# Altium PCB 2019.07.15.master.PcbDoc (part 2 of 7)
Units mm, origin at the board's own origin, x right, y up, seen from the top; angles counter-clockwise.
Board outline 160 x 120 mm, 6 copper layers (Top Signal, Top GND, Inner PWR, Inner Signal, Bottom GND, Bottom Signal), stack 1.571 mm thick; 408 components, 388 nets, 1700 pads, 1310 vias.
Unrouted connection lines stored in the file: 2.
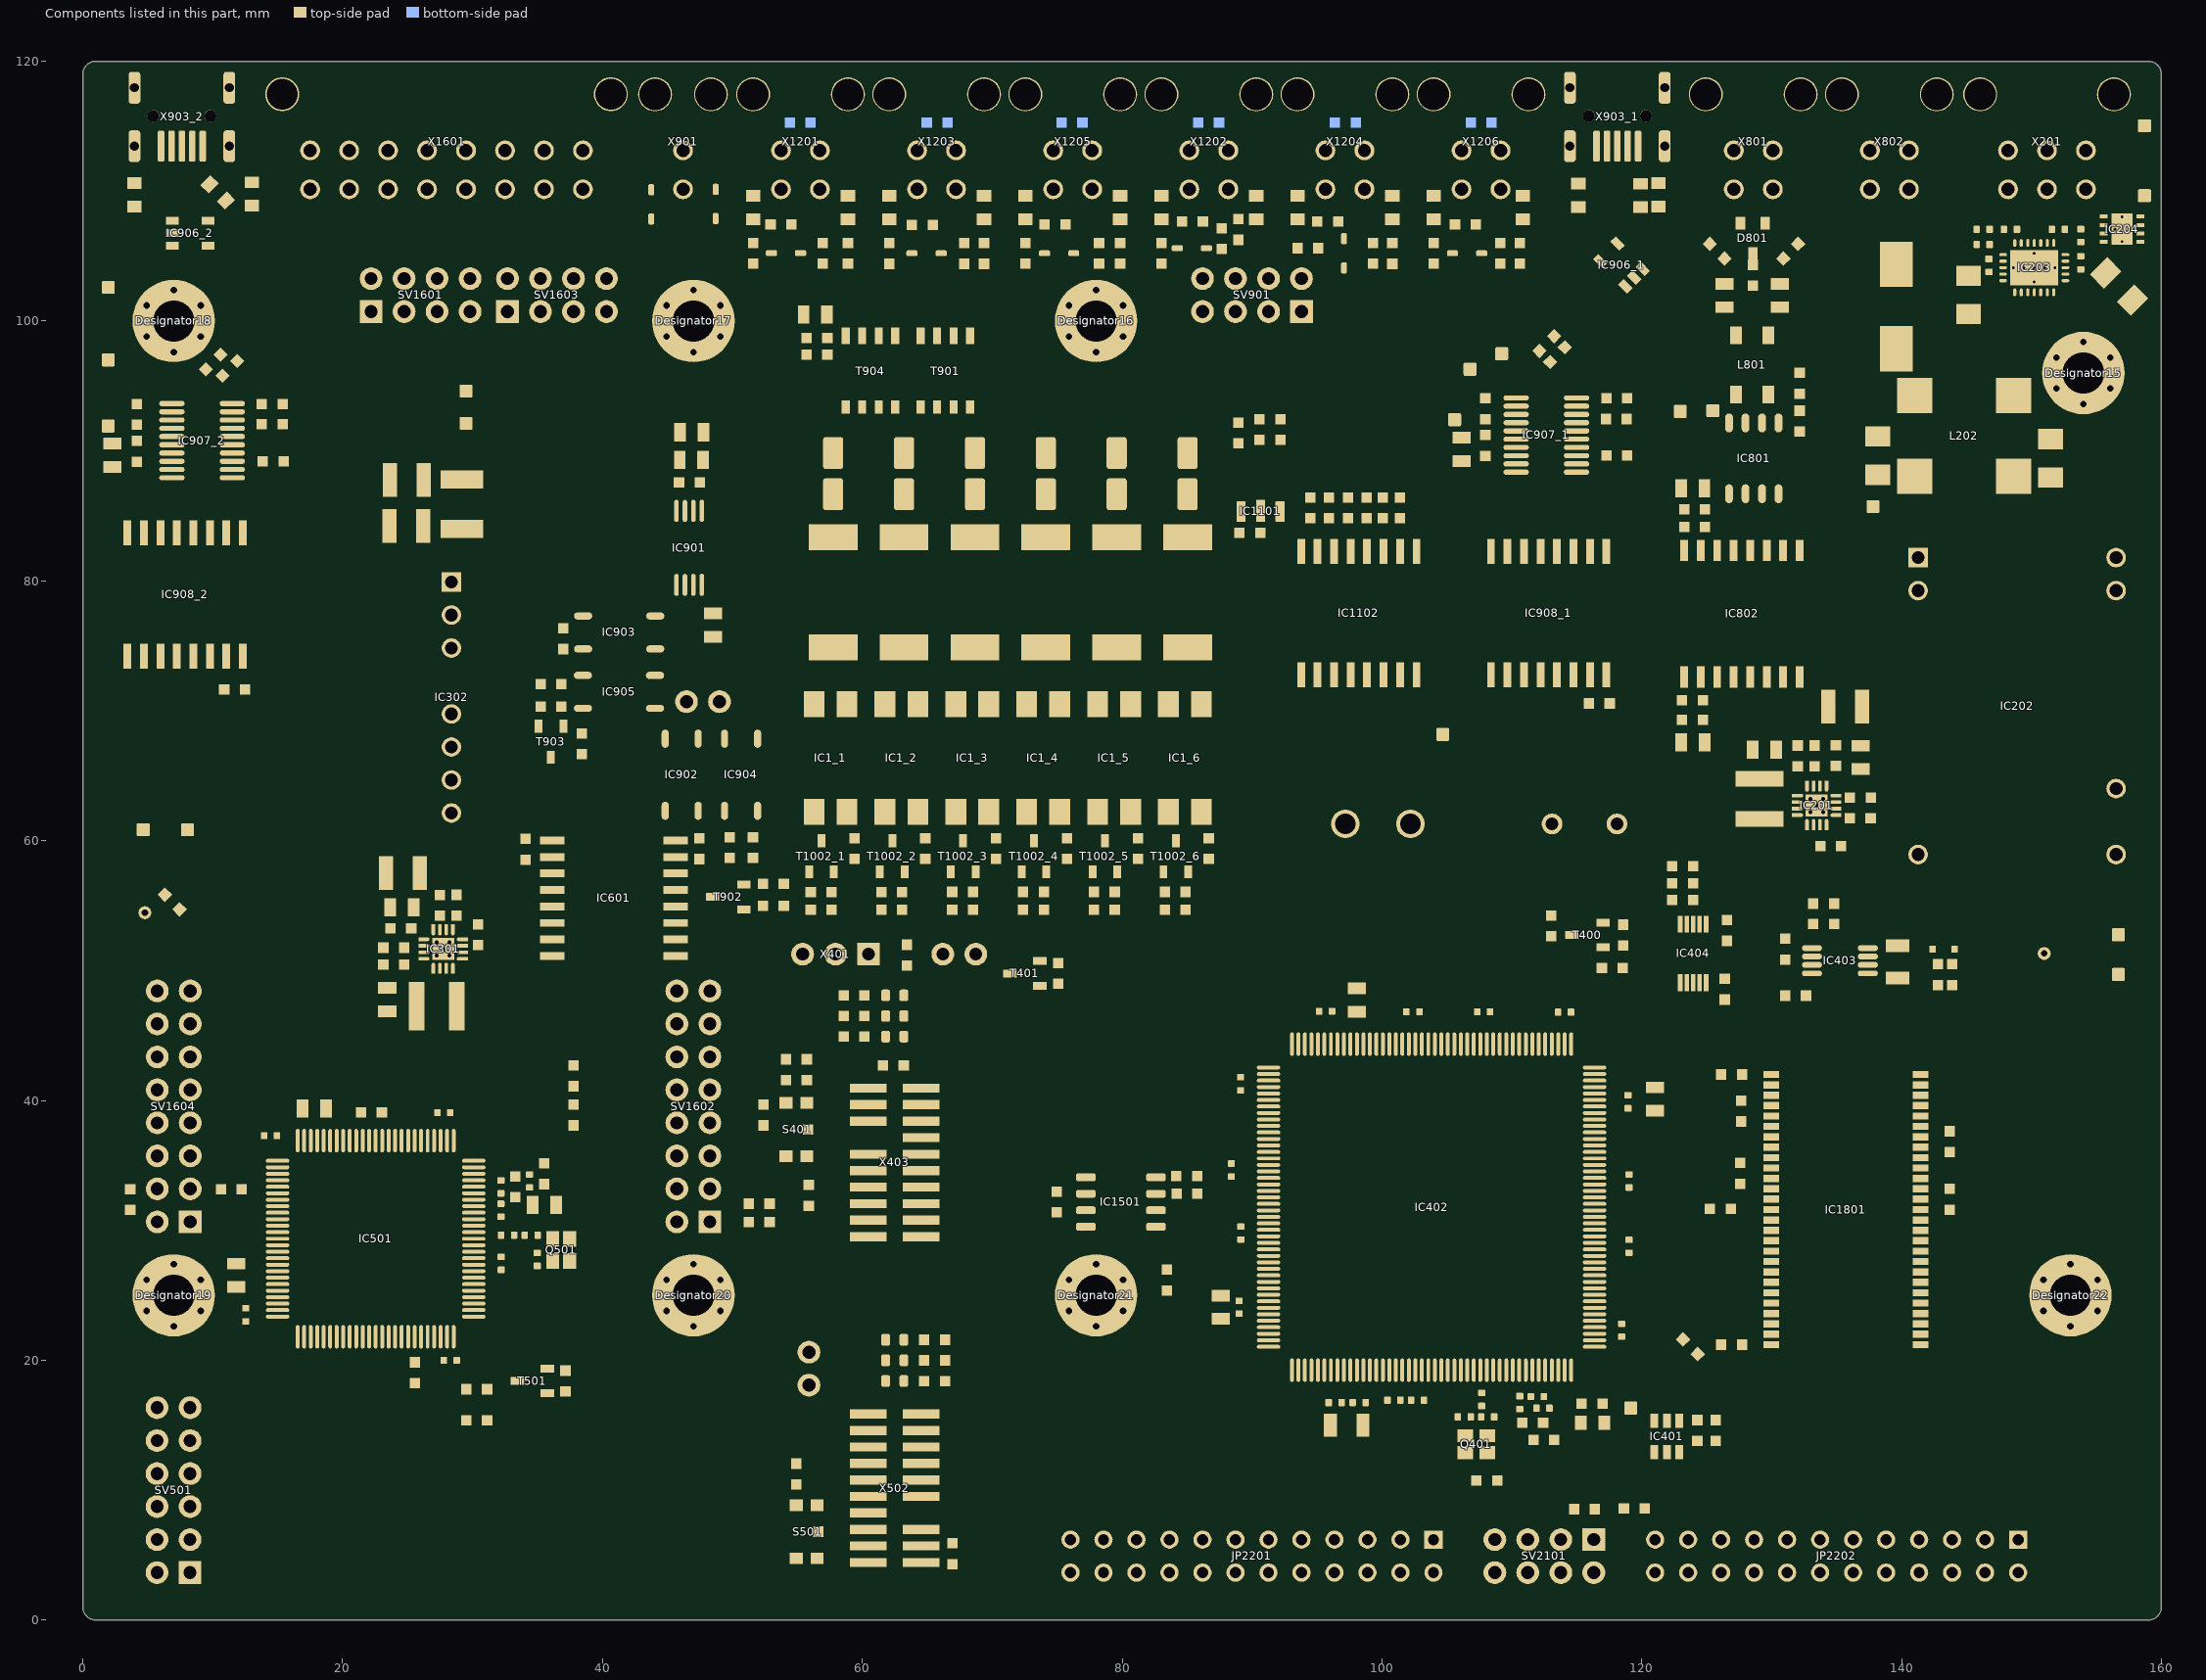
[diagram p6: the components of this part, seen from the top]

## Components (designator, comment, footprint, x,y, rotation, side; value= is the part's Value field where it differs from the comment) (continued)
TPuVb2_1 "Testpoint_Square" Testpoint_S1 105.598,92.408 r270 top (schematic designator TPuVb2)
TPuVb2_2 "Testpoint_Square" Testpoint_S1 1.954,91.921 r180 top (schematic designator TPuVb2)
TPvBat0 "Testpoint_Square" Testpoint_S1 104.678,68.18 r180 top
TPvRef0 "Testpoint_Square" Testpoint_S1 119.156,16.317 r90 top
U$1 "" FIDUCIAL_1MM 148,10 r0 top locked
U$3 "" FIDUCIAL_1MM 17,100 r0 top locked
U$4 "" FIDUCIAL_1MM 14,10 r0 top locked
X201 "43045-0621" 43045-0621 151.198,117.46 r0 top locked
X400 "ABS07-120 32.768k" ABS07 139.692,50.663 r270 top
X401 "samtec_TSW-103-07-G-S" PINHEADER_2.54_3 57.944,51.261 r180 top locked
X402 "samtec_TSW-102-07-G-S" PINHEADER_2.54_2 67.469,51.261 r0 top locked
X403 "FTSH-110-01-L-DV-007-K-P" CORTEX_DEBUG_20_PIN 62.5,35.228 r0 top locked
X501 "samtec_TSW-102-07-G-S" PINHEADER_2.54_2 55.894,19.35 r270 top
X502 "FTSH-110-01-L-DV-007-K-P" CORTEX_DEBUG_20_PIN 62.5,10.145 r180 top locked
X801 "43045-0421" 43045-0421 128.587,117.46 r0 top locked
X802 "43045-0421" 43045-0421 139.064,117.46 r0 top locked
X901 "molex_microfit_3_01x2_THT" 43045-0221 46.2,117.46 r0 top locked
X902 "samtec_TSW-102-07-G-S" PINHEADER_2.54_2 47.74,70.7 r180 top
X903_1 "54819-0589" 54819-0589 119.72,113.464 r270 top locked (schematic designator X903)
X903_2 "54819-0589" 54819-0589 9.225,113.464 r270 top locked (schematic designator X903)
X1201 "molex_microfit_3_02x2_THT" 43045-0421 55.245,117.46 r0 top locked
X1202 "molex_microfit_3_02x2_THT" 43045-0421 86.677,117.46 r0 top locked
X1203 "molex_microfit_3_02x2_THT" 43045-0421 65.722,117.46 r0 top locked
X1204 "molex_microfit_3_02x2_THT" 43045-0421 97.155,117.46 r0 top locked
X1205 "molex_microfit_3_02x2_THT" 43045-0421 76.2,117.46 r0 top locked
X1206 "molex_microfit_3_02x2_THT" 43045-0421 107.632,117.46 r0 top locked
X1601 "molex_microfit_3_08x2_THT" 43045-1621 28,117.46 r0 top locked

## Footprints (in the part's own frame and the unit in brackets; to place one, negate y for a bottom-side part, rotate by r counter-clockwise, add the part's x,y. Pads: shape width x height; smd on the part's side, far side on the other; paste and mask are expansions set on the pad)
0402C [mm] "Chip Capacitor, 2-Leads, Body 1.0x0.5mm, IPC Medium Density"
  rrect25% 0.5x0.55 smd paste-2: 1(-0.5,0) 2(0.5,0)
  silkscreen extent -0.9,-0.45 0.9,0.45, body extent -0.5,-0.25 0.5,0.25, height 0.5
0402R [mm] "Chip Capacitor, 2-Leads, Body 1.0x0.5mm, IPC Medium Density"
  rrect25% 0.5x0.55 smd paste-2: 1(-0.5,0) 2(0.5,0)
  silkscreen extent -0.9,-0.45 0.9,0.45, body extent -0.5,-0.25 0.5,0.25, height 0.25
0603C [mm]
  rect 0.8x0.8 smd paste-10: 1(-0.8,0) 2(0.8,0)
  silkscreen extent -1.45,-0.65 1.45,0.65, body extent -0.8,-0.4 0.8,0.41, height 1.02
0603R [mm]
  rect 0.8x0.8 smd paste-10: 1(-0.8,0) 2(0.8,0)
  silkscreen extent -1.45,-0.65 1.45,0.65, body extent -0.8,-0.4 0.8,0.4, height 0.45
0805C [mm]
  rect 0.9x1.4 smd paste-10: 1(-0.9,0) 2(0.9,0)
  silkscreen extent -1.6,-0.95 1.6,0.95, body extent -1,-0.63 1,0.63, height 1.25
0805R [mm]
  rect 0.9x1.4 smd paste-10: 1(-0.9,0) 2(0.9,0)
  silkscreen extent -1.6,-0.95 1.6,0.95, body extent -1,-0.65 1,0.65, height 0.6
43045-0221 [mm] "Micro-Fit 3.0 Right Angle Header, 3.00mm Pitch, Dual Row, 2 Circuits, with Snap-in Plastic Peg PCB Lock, Tin, Glow Wire Capable, Black, 43045-0221"
  round 1.524 hole 1.016: 1(0,-4.32) 2(0,-7.32)
  round 2.61 hole 2.41 paste-5 mask+0.15: MH1(-2.15,0) MH1(2.15,0)
  silkscreen extent -3.57,-6.34 3.63,-1.4, body extent -3.58,-7.62 3.63,4.62, height 8.77
43045-0421 [mm] "Micro-Fit 3.0 Right Angle Header, 3.00mm Pitch, Dual Row, 4 Circuits, with Snap-in Plastic Peg PCB Lock, Tin, Glow Wire Capable, Black, 43045-0421"
  round 1.524 hole 1.016: 1(-1.5,-4.32) 2(1.5,-4.32) 3(-1.5,-7.32) 4(1.5,-7.32)
  round 2.61 hole 2.41 paste-5 mask+0.15: MH1(-3.65,0) MH2(3.65,0)
  silkscreen extent -5.07,-6.34 5.13,-1.4, body extent -5.07,-7.62 5.13,4.62, height 8.83
43045-0621 [mm] "Micro-Fit 3.0 Right Angle Header, 3.00mm Pitch, Dual Row, 6 Circuits, with Snap-in Plastic Peg PCB Lock, Tin, Glow Wire Capable, Black, 43045-0621"
  round 1.524 hole 1.016: 1(-3,-4.32) 2(0,-4.32) 3(3,-4.32) 4(-3,-7.32) 5(0,-7.32) 6(3,-7.32)
  round 2.61 hole 2.41 paste-5 mask+0.15: MH1(-5.15,0) MH1(5.15,0)
  silkscreen extent -6.57,-6.34 6.58,-1.4, body extent -6.56,-7.62 6.59,4.62, height 8.83
43045-1621 [mil] "Micro-Fit 3.0 Right Angle Header, 3.00mm Pitch, Dual Row, 16 Circuits, with Snap-in Plastic Peg PCB Lock, Tin, Glow Wire Capable, Black, 43045-1621"
  round 60 hole 40: 1(-413.39,-170) 2(-295.28,-170) 3(-177.17,-170) 4(-59.06,-170) 5(59.06,-170) 6(177.17,-170) 7(295.28,-170) 8(413.39,-170) 9(-413.39,-287.99) 10(-295.28,-287.99) 11(-177.17,-287.99) 12(-59.06,-287.99) 13(59.06,-287.99) 14(177.17,-287.99) 15(295.28,-287.99) 16(413.39,-287.99)
  round 102.76 hole 94.88 paste-196.85 mask+5.91: MH1(-498.03,0.08) MH1(498.03,0.08)
  silkscreen extent -554,-249 556,-55, body extent -554,-300 556,182, height 345
54819-0589 [mm] "Mini USB Connector, TH, Righer Angle"
  rrect50% 2.4x0.5 smd: 1(0,0) 2(0,-0.8) 3(0,-1.6) 4(0,-2.4) 5(0,-3.2)
  rrect50% 2.45x0.9 / inner rrect50% 0x0 / far side rrect50% 2.7x1.7 hole 0.7 slot 1.9 at 0 deg: 6(0,2.05) 7(-4.5,2.05) 8(0,-5.25) 9(-4.5,-5.25)
  round 0.9 hole 0.9 unplated: X(-2.325,-3.8) Y(-2.325,0.6)
  silkscreen extent -2.7,-5.5 -1.9,2.3, body extent -8.22,-5.46 0.78,2.24, height 4.05
ABS07 [mm]
  rect 1x1.8 smd: 1(-1.25,0) 2(1.25,0)
  silkscreen extent -0.55,-0.75 0.55,0.75, body extent -1.6,-0.75 1.6,0.75, height 0.9
ADI-RJ-6_N [mm] "SOT23, 6-Leads, Body 2.9x1.6mm, Pitch 0.95mm, IPC Medium Density"
  rect 1.1x0.6 smd: 1(-1.2,0.95) 2(-1.2,0) 3(-1.2,-0.95) 4(1.2,-0.95) 5(1.2,0) 6(1.2,0.95)
  silkscreen extent -1.32,-1.5 0.25,1.92, body extent -0.85,-1.5 0.85,1.5, height 1.45
AVX-CX2520DB32000D0GEJZ1-4_V [mm] "Hand Drawn, 4-Leads,Body 2.5x2mm"
  rect 1x1.2 smd: 1(-0.65,0.85) 2(-0.65,-0.85) 3(0.65,-0.85) 4(0.65,0.85)
  silkscreen extent -1.82,0.87 -1.58,1.12, body extent -1,-1.25 1,1.25, height 0.55
CAPC3216X180X55ML20T25 [mm] "Chip Capacitor, 2-Leads, Body 3.4x1.8mm, IPC Low Density"
  rect 1.55x1.9 smd: 1(-1.475,0) 2(1.475,0)
  silkscreen extent -0.3,-0.85 0.3,0.85, body extent -1.7,-0.9 1.7,0.9, height 1.8
CAPC3225X279X50LL20T25 [mm] "Chip Capacitor, 2-Leads, Body 3.40x2.70mm, IPC High Density"
  rect 1.1x2.6 smd: 1(-1.3,0) 2(1.3,0)
  silkscreen extent -0.35,-1.2 0.35,1.2, body extent -1.7,-1.35 1.7,1.35, height 2.79
CORTEX_DEBUG_20_PIN [mm] "ARM Cortex Debug Connector 20 Pin"
  rect 2.8x0.7 smd: 1(-2.035,5.715) 2(2.035,5.715) 3(-2.035,4.445) 4(2.035,4.445) 5(-2.035,3.175) 6(2.035,3.175) 8(2.035,1.905) 9(-2.035,0.635) 10(2.035,0.635) 11(-2.035,-0.635) 12(2.035,-0.635) 13(-2.035,-1.905) 14(2.035,-1.905) 15(-2.035,-3.175) 16(2.035,-3.175) 17(-2.035,-4.445) 18(2.035,-4.445) 19(-2.035,-5.715) 20(2.035,-5.715)
  silkscreen extent -4.83,-6.6 1.78,7.24, body extent -2.92,-6.35 2.92,6.35, height 6.98
D0008A_N [mm]
  oval 1.45x0.6 smd paste+0 mask+0.051: 1(-2.725,1.905) 2(-2.725,0.635) 3(-2.725,-0.635) 4(-2.725,-1.905) 5(2.725,-1.905) 6(2.725,-0.635) 7(2.725,0.635) 8(2.725,1.905)
  silkscreen extent -3.3,-2.5 0.9,2.5, body extent -3.01,-2.45 3.01,2.45, height 1.63
DBV0005A_N [mm]
  rect 1x0.6 smd paste+0 mask+0.051: 1(-1.375,0.95) 2(-1.375,0) 3(-1.375,-0.95) 4(1.375,-0.95) 5(1.375,0.95)
  silkscreen extent -1.62,-1.55 0.38,1.55, body extent -1.4,-1.45 1.4,1.45, height 1.2
DIOM4326X24N [mm] "Molded Diode, 2-Leads, Body 4,30x2,60mm, IPC Medium Density, SMA, DO-214AC"
  rrect25% 2.45x1.55 smd: 1(-1.6,0) 2(1.575,0)
  silkscreen extent -2.9,-1.45 2.3,1.45, body extent -2.52,-1.45 2.52,1.45, height 2.4
DRB0008F [mm]
  rect 0.6x0.3 smd paste+0 mask+0: 1(-1.4,0.975) 2(-1.4,0.325) 3(-1.4,-0.325) 4(-1.4,-0.975) 5(1.4,-0.975) 6(1.4,-0.325) 7(1.4,0.325) 8(1.4,0.975)
  rect 1.6x2.4 smd paste-1.187 mask+0: 9(0,0)
  round 0.5 / inner round 1.524 / far side round 0.5 hole 0.203 mask+0: V(-0.55,0) V(0,-0.95) V(0,0.95) V(0.55,0)
  silkscreen extent -1.73,-1.73 1.73,1.73, body extent -1.5,-1.5 1.5,1.5, height 0.77
DW0016B_N [mm]
  rect 1.9x0.6 smd paste+0 mask+0.051: 1(-4.75,4.445) 2(-4.75,3.175) 3(-4.75,1.905) 4(-4.75,0.635) 5(-4.75,-0.635) 6(-4.75,-1.905) 7(-4.75,-3.175) 8(-4.75,-4.445) 9(4.75,-4.445) 10(4.75,-3.175) 11(4.75,-1.905) 12(4.75,-0.635) 13(4.75,0.635) 14(4.75,1.905) 15(4.75,3.175) 16(4.75,4.445)
  silkscreen extent -5.6,-5.25 3.4,5.25, body extent -5.17,-5.15 5.17,5.15, height 2.59
DWE0016A [mm]
  rect 1.65x0.6 smd paste+0 mask+0: 1(-4.875,4.445) 2(-4.875,3.175) 3(-4.875,1.905) 4(-4.875,0.635) 5(-4.875,-0.635) 6(-4.875,-1.905) 7(-4.875,-3.175) 8(-4.875,-4.445) 9(4.875,-4.445) 10(4.875,-3.175) 11(4.875,-1.905) 12(4.875,-0.635) 13(4.875,0.635) 14(4.875,1.905) 15(4.875,3.175) 16(4.875,4.445)
  silkscreen extent -3.8,-5.25 3.8,5.6, body extent -5.17,-5.15 5.17,5.15, height 2.59
ESPO-FC-135-2_V [mm] "SMD, 2-Leads, Body 3.3x1.6mm, Pitch 2.5mm"
  rect 1x1.8 smd: 1(-1.25,0) 2(1.25,0)
  silkscreen extent -2.43,-0.8 0.35,0.8, body extent -1.65,-0.8 1.65,0.8, height 0.9
FIDUCIAL_1MM [mm] "FIDUCIAL_1MM"
  Top Signal circle w1: c0,0 r0.25
  Top Signal keep-out circle w0.1: c0,0 r1.5
HOLE_3.2_ISO [mm]
  round 0.8 / inner round 0.7 / far side round 0.8 hole 0.5: 0(-2.078,-1.2) 0(-2.078,1.2) 0(0,-2.4) 0(0,2.4) 0(2.078,-1.2) 0(2.078,1.2)
  round 6.35 / inner round 3.4 / far side round 6.35 hole 3.18: 0(0,0)
INDC4532 [mm] "Chip Inductor, Body 4.5x3.2mm, IPC High Density"
  rect 1.4x3.3 smd: 1(-1.9,0) 2(1.9,0)
  silkscreen extent -0.8,-1.55 0.8,1.55, body extent -2.4,-1.7 2.4,1.7, height 0.55
INF-PG-SOT23_N [mm] "SOT23, 3-Leads, Body 2.9x1.3mm, Pitch 0.95mm, IPC Medium Density"
  rect 1.05x0.6 smd: 1(-1.15,0.95) 2(-1.15,-0.95) 3(1.15,0)
  silkscreen extent -1.28,-1.5 0.7,1.92, body extent -0.7,-1.5 0.7,1.5, height 1.1
KMR2_Series [mil] "Microminiature Tact Switch for SMT"
  rect 35.43x39.37 smd: 1(-80.71,-31.5) 2(80.71,-31.5) 3(80.71,31.5) 4(-80.71,31.5)
  rect 31.5x31.5 smd: 5(0,35.43)
  silkscreen extent -50,-55 50,55, body extent -91,-55 91,55, height 76
KW-5R5C [mm]
  round 2.2 hole 1.6: 1(-2.5,0) 2(2.5,0)
  silkscreen extent -6.75,-6.75 6.75,6.75, body extent -6.7,-6.74 6.78,6.74, height 8.36
LEDC1608X07N [mm] "LED, 2-Leads, Body 1,60x0,80mm, IPC Medium Density"
  rrect50% 0.7x0.9 smd: 1(-0.7,0) 2(0.7,0)
  silkscreen extent -1.35,0.35 -1.25,0.45, body extent -0.8,-0.4 0.8,0.4, height 0.7
MSOP-10 [mm]
  rect 1.3x0.35 smd paste-0.025: 1(-2.25,1) 2(-2.25,0.5) 3(-2.25,0) 4(-2.25,-0.5) 5(-2.25,-1) 6(2.25,-1) 7(2.25,-0.5) 8(2.25,0) 9(2.25,0.5) 10(2.25,1)
  silkscreen extent -2.3,-1.52 1.33,1.75, body extent -1.33,-1.52 1.33,1.58, height 1.2
MURA-BLM21-H1-CHIP-2_V [mm] "Chip Ferrite Bead, 2-Leads, Body 2x1.25mm, Height 1.05mm"
  rect 0.9x1.1 smd paste-10: 1(-0.9,0) 2(0.9,0)
  silkscreen extent -1.45,-0.82 1.45,0.82, body extent -1,-0.43 1,0.43, height 1.25
NF_SOD-523 [mm]
  rect 0.5x0.5 smd paste-1: 1(-0.85,0) 2(0.85,0)
  silkscreen extent -0.8,-0.5 0.8,0.5
NIC-CAPA2-8X10_V [mm] "Aluminum Electrolytic Capacitor, Diameter 8mm, Height 10.8mm, Pitch 6.5mm"
  rect 3.5x2.5 smd: 1(-3.25,0) 2(3.25,0)
  silkscreen extent -4.25,-4.25 4.25,4.25, body extent -3.99,-3.97 3.99,4, height 10.8
NXP-SOT23-3_V [mm] "SOT23, 3-Leads, Body 1.3x2.9mm, Pitch 0.95mm"
  rect 0.725x1 smd: 1(0.95,1.16) 2(-0.95,1.16) 3(0,-1.175)
  silkscreen extent -1.45,-0.65 1.45,2.02, body extent -1.45,-1.38 1.45,1.37, height 1
PINHEADER_2.54_2 [mm] "Pinheader, 2.54mm, gerade"
  round 1.75 hole 1: 1(-1.27,0) 2(1.27,0)
  silkscreen extent -2.84,-1.57 2.47,1.2, body extent -2.54,-1.27 2.54,1.27, height 8.74
PINHEADER_2.54_2X4 [mm] "Pinheader, 2.54mm, gerade, 2-reihig"
  rect 1.75x1.75 hole 1: 1(-3.81,-1.27)
  round 1.75 hole 1: 2(-3.81,1.27) 3(-1.27,-1.27) 4(-1.27,1.27) 5(1.27,-1.27) 6(1.27,1.27) 7(3.81,-1.27) 8(3.81,1.27)
  silkscreen extent -5.38,-2.84 5.01,2.47, body extent -5.08,-2.54 5.08,2.54, height 8.74
PINHEADER_2.54_2X6 [mm] "Pinheader, 2.54mm, gerade, 2-reihig"
  rect 1.75x1.75 hole 1: 1(-6.35,-1.27)
  round 1.75 hole 1: 2(-6.35,1.27) 3(-3.81,-1.27) 4(-3.81,1.27) 5(-1.27,-1.27) 6(-1.27,1.27) 7(1.27,-1.27) 8(1.27,1.27) 9(3.81,-1.27) 10(3.81,1.27) 11(6.35,-1.27) 12(6.35,1.27)
  silkscreen extent -7.92,-2.84 7.55,2.47, body extent -7.62,-2.54 7.62,2.54, height 8.74
PINHEADER_2.54_2X8 [mm] "Pinheader, 2.54mm, gerade, 2-reihig"
  rect 1.75x1.75 hole 1: 1(-8.89,-1.27)
  round 1.75 hole 1: 2(-8.89,1.27) 3(-6.35,-1.27) 4(-6.35,1.27) 5(-3.81,-1.27) 6(-3.81,1.27) 7(-1.27,-1.27) 8(-1.27,1.27) 9(1.27,-1.27) 10(1.27,1.27) 11(3.81,-1.27) 12(3.81,1.27) 13(6.35,-1.27) 14(6.35,1.27) 15(8.89,-1.27) 16(8.89,1.27)
  silkscreen extent -10.46,-2.84 10.09,2.47, body extent -10.16,-2.54 10.16,2.54, height 8.74
PINHEADER_2.54_3 [mm] "Pinheader, 2.54mm, gerade"
  rect 1.75x1.75 hole 1: 1(-2.54,0)
  round 1.75 hole 1: 2(0,0) 3(2.54,0)
  silkscreen extent -4.11,-1.57 3.74,1.2, body extent -3.81,-1.27 3.81,1.27, height 8.74
PK0003A_M [mm] "SOT89, 3-Leads, Body 4.6x2.6mm, Pitch 1.5mm, IPC Low Density"
  rrect14% 1.6x0.7 smd: 1(-1.9,1.5) 3(-1.9,-1.5)
  rrect14% 1.7x0.7 smd: 2(-1.85,0)
  Top Signal region: -1,0.35 -0.35,1 2.05,1 2.7,0.35 2.7,-0.35 2.05,-1 -0.35,-1 -1,-0.35 -1.2,-0.35 -1.2,0.35
  silkscreen extent -2.17,-2.3 1.2,2.52, body extent -2.19,-2.3 2.19,2.3, height 1.6
PNSC-DIP4(SMT)_V [mm] "DIP(SMT), 4-Leads, Body 6.4x4.78mm, Pitch 2.54mm"
  rect 2x1.6 smd: 1(-4.15,1.27) 2(-4.15,-1.27) 3(4.15,-1.27) 4(4.15,1.27)
  silkscreen extent -4.31,-2.42 2.95,2.74, body extent -3.22,-2.41 3.22,2.41, height 3
PS12 [mm]
  round 1.6 hole 1: 1(-2.5,0) 2(2.5,0)
  silkscreen extent -6.1,-6.1 6.1,6.1, body extent -6.1,-6.1 6.1,6.1, height 3.5
PW8_N [mm] "TSOP, 8-Leads, Body 3x4.4mm, Pitch 0.65mm, IPC Medium Density"
  oval 1.7x0.35 smd: 1(-2.85,0.975) 2(-2.85,0.325) 3(-2.85,-0.325) 4(-2.85,-0.975) 5(2.85,-0.975) 6(2.85,-0.325) 7(2.85,0.325) 8(2.85,0.975)
  silkscreen extent -2.97,-1.55 1.6,1.83, body extent -2.25,-1.55 2.25,1.55, height 1.2
QFN-16-TI [mm] "Quad flat no-lead 16-pin Linear Technology"
  rect 0.55x0.28 smd paste-0.025 mask+0.07: 1(-1.625,0.75) 2(-1.625,0.25) 3(-1.625,-0.25) 4(-1.625,-0.75) 9(1.625,-0.75) 10(1.625,-0.25) 11(1.625,0.25) 12(1.625,0.75)
  oval 0.85x0.28 smd paste-0.025 mask+0.07: 1(-1.475,0.75) 2(-1.475,0.25) 3(-1.475,-0.25) 4(-1.475,-0.75) 9(1.475,-0.75) 10(1.475,-0.25) 11(1.475,0.25) 12(1.475,0.75)
  rect 0.28x0.55 smd paste-0.025 mask+0.07: 5(-0.75,-1.625) 6(-0.25,-1.625) 7(0.25,-1.625) 8(0.75,-1.625) 13(0.75,1.625) 14(0.25,1.625) 15(-0.25,1.625) 16(-0.75,1.625)
  oval 0.28x0.85 smd paste-0.025 mask+0.07: 5(-0.75,-1.475) 6(-0.25,-1.475) 7(0.25,-1.475) 8(0.75,-1.475) 13(0.75,1.475) 14(0.25,1.475) 15(-0.25,1.475) 16(-0.75,1.475)
  round 0.5 hole 0.3 mask+0: PAD(-0.5,-0.5) PAD(-0.5,0.5) PAD(0,0) PAD(0.5,-0.5) PAD(0.5,0.5)
  rect 1.7x1.7 smd paste-1.7 mask+0.07: PAD(0,0)
  silkscreen extent -1.8,-1.5 1.5,1.8, body extent -1.5,-1.5 1.5,1.5, height 0.9
RECOM_RS-S_D [mm] "Recom DC/DC Converter"
  rect 1.5x1.5 hole 1: 1(2,6)
  round 1.5 hole 1: 2(4.54,6) 3(7.08,6) 5(12.16,6) 6(14.7,6) 7(17.24,6) 8(19.78,6)
  silkscreen extent 0,0 21.84,9.14, body extent 0,0 21.8,9.2, height 11.1
RHF0024A [mm]
  oval 0.6x0.24 smd paste+0 mask+0.051: 1(-1.9,1.5) 2(-1.9,1) 3(-1.9,0.5) 4(-1.9,0) 5(-1.9,-0.5) 6(-1.9,-1) 7(-1.9,-1.5) 13(1.9,-1.5) 14(1.9,-1) 15(1.9,-0.5) 16(1.9,0) 17(1.9,0.5) 18(1.9,1) 19(1.9,1.5)
  oval 0.24x0.6 smd paste+0 mask+0.051: 8(-1,-2.4) 9(-0.5,-2.4) 10(0,-2.4) 11(0.5,-2.4) 12(1,-2.4) 20(1,2.4) 21(0.5,2.4) 22(0,2.4) 23(-0.5,2.4) 24(-1,2.4)
  rect 2.7x3.7 smd paste-1.837 mask+0.051: 25(0,0)
  round 0.5 / inner round 1.524 / far side round 0.5 hole 0.203 mask+0.051: V(-1.1,0) V(0,0.8) V(0,0) V(0,-0.8) V(0,1.6) V(0,-1.6) V(1.1,0)
  silkscreen extent -2.2,-2.7 2.2,2.7, body extent -2,-2.5 2,2.5, height 1
Schurter_UMT_250 [mm] "Schurter UMT 250 Series Fuse"
  rect 2x3.75 smd: 1(-4.25,0) 2(4.25,0)
  silkscreen extent -2.5,-1.5 2.5,1.5, body extent -5.05,-1.5 5.05,1.5, height 3
SLW_104_01_G_D [mm] "Board-To-Board Connector, Dual, 2.54 mm, 8 Contacts, Receptacle, SLW Series, Through Hole, 2 Rows"
  rect 1.75x1.75 hole 1: 1(-3.81,-1.27)
  round 1.75 hole 1: 2(-3.81,1.27) 3(-1.27,-1.27) 4(-1.27,1.27) 5(1.27,-1.27) 6(1.27,1.27) 7(3.81,-1.27) 8(3.81,1.27)
  silkscreen extent -5.38,-2.84 5.01,2.47, body extent -5.08,-2.48 5.08,2.48, height 4.57
SMTC-SLW-112-01-X-D [mm] "Low Profile Socket Strip, 2x12 Pins, Vertical, 2.54mm Pitch, Female"
  rect 1.4x1.4 hole 0.86: 1(0,0)
  round 1.4 hole 0.86: 2(0,-2.54) 3(2.54,0) 4(2.54,-2.54) 5(5.08,0) 6(5.08,-2.54) 7(7.62,0) 8(7.62,-2.54) 9(10.16,0) 10(10.16,-2.54) 11(12.7,0) 12(12.7,-2.54) 13(15.24,0) 14(15.24,-2.54) 15(17.78,0) 16(17.78,-2.54) 17(20.32,0) 18(20.32,-2.54) 19(22.86,0) 20(22.86,-2.54) 21(25.4,0) 22(25.4,-2.54) 23(27.94,0) 24(27.94,-2.54)
  silkscreen extent -1.57,-3.75 29.2,1.57, body extent -1.27,-3.75 29.21,1.21, height 4.57
SODFL250X110-2N [mm] "SODFL, 2-Leads, Body 1,25x2,50mm, IPC Medium Density, SOD323"
  rrect50% 0.85x0.45 smd: 1(-1.125,0) 2(1.125,0)
  silkscreen extent -1.45,-0.7 0.9,0.7, body extent -1.25,-0.67 1.25,0.67, height 1.1
SOIC127P600X175-8N [mm] "SOIC, 8-Leads, Body 4,90x3,90mm, Pitch 1,27mm, IPC Medium Density"
  rrect50% 1.5x0.6 smd: 1(-2.7,1.905) 2(-2.7,0.635) 3(-2.7,-0.635) 4(-2.7,-1.905) 5(2.7,-1.905) 6(2.7,-0.635) 7(2.7,0.635) 8(2.7,1.905)
  silkscreen extent -2.8,-2.45 1.55,2.8, body extent -3,-2.45 3,2.45, height 1.75
SOP254P610X218-4N [mm] "SOP, 4-Leads, Body 4,09x3,81mm, Pitch 2,54mm, IPC Medium Density"
  oval 1.4x0.55 smd: 1(-2.775,1.27) 2(-2.775,-1.27) 3(2.775,-1.27) 4(2.775,1.27)
  silkscreen extent -2.9,-2.15 1.67,2.22, body extent -3.05,-2.15 3.05,2.15, height 2.18
SOT95P237X110-3N [mm] "SOT23, 3-Leads, Body 2,92x2,37mm, Pitch 0,95mm, IPC Medium Density"
  rect 1x0.6 smd: D(1.2,0) G(-1.2,0.95) S(-1.2,-0.95)
  silkscreen extent -0.3,-1.5 0.7,1.5, body extent -1.32,-1.52 1.32,1.52, height 1.1
SSOP-20_L [mm] "SOP, 20-Leads, Body 8.6x3.9mm, Pitch 0.635mm, IPC High Density"
  oval 1.95x0.4 smd: 1(-2.325,2.857) 2(-2.325,2.222) 3(-2.325,1.587) 4(-2.325,0.952) 5(-2.325,0.317) 6(-2.325,-0.318) 7(-2.325,-0.953) 8(-2.325,-1.588) 9(-2.325,-2.223) 10(-2.325,-2.858) 11(2.325,-2.857) 12(2.325,-2.222) 13(2.325,-1.587) 14(2.325,-0.952) 15(2.325,-0.317) 16(2.325,0.318) 17(2.325,0.953) 18(2.325,1.588) 19(2.325,2.223) 20(2.325,2.858)
  silkscreen extent -2.45,-4.35 1,4.35, body extent -1.99,-4.37 1.99,4.37, height 1.76
STM-LQFP100_N [mm] "Thin QFP, 100-Leads, Body 14x14mm, Pitch 0.5mm, IPC Medium Density"
  oval 1.8x0.3 smd: 1(-7.55,6) 2(-7.55,5.5) 3(-7.55,5) 4(-7.55,4.5) 5(-7.55,4) 6(-7.55,3.5) 7(-7.55,3) 8(-7.55,2.5) 9(-7.55,2) 10(-7.55,1.5) 11(-7.55,1) 12(-7.55,0.5) 13(-7.55,0) 14(-7.55,-0.5) 15(-7.55,-1) 16(-7.55,-1.5) 17(-7.55,-2) 18(-7.55,-2.5) 19(-7.55,-3) 20(-7.55,-3.5) 21(-7.55,-4) 22(-7.55,-4.5) 23(-7.55,-5) 24(-7.55,-5.5) 25(-7.55,-6) 51(7.55,-6) 52(7.55,-5.5) 53(7.55,-5) 54(7.55,-4.5) 55(7.55,-4) 56(7.55,-3.5) 57(7.55,-3) 58(7.55,-2.5) 59(7.55,-2) 60(7.55,-1.5) 61(7.55,-1) 62(7.55,-0.5) 63(7.55,0) 64(7.55,0.5) 65(7.55,1) 66(7.55,1.5) 67(7.55,2) 68(7.55,2.5) 69(7.55,3) 70(7.55,3.5) 71(7.55,4) 72(7.55,4.5) 73(7.55,5) 74(7.55,5.5) 75(7.55,6)
  oval 0.3x1.8 smd: 26(-6,-7.55) 27(-5.5,-7.55) 28(-5,-7.55) 29(-4.5,-7.55) 30(-4,-7.55) 31(-3.5,-7.55) 32(-3,-7.55) 33(-2.5,-7.55) 34(-2,-7.55) 35(-1.5,-7.55) 36(-1,-7.55) 37(-0.5,-7.55) 38(0,-7.55) 39(0.5,-7.55) 40(1,-7.55) 41(1.5,-7.55) 42(2,-7.55) 43(2.5,-7.55) 44(3,-7.55) 45(3.5,-7.55) 46(4,-7.55) 47(4.5,-7.55) 48(5,-7.55) 49(5.5,-7.55) 50(6,-7.55) 76(6,7.55) 77(5.5,7.55) 78(5,7.55) 79(4.5,7.55) 80(4,7.55) 81(3.5,7.55) 82(3,7.55) 83(2.5,7.55) 84(2,7.55) 85(1.5,7.55) 86(1,7.55) 87(0.5,7.55) 88(0,7.55) 89(-0.5,7.55) 90(-1,7.55) 91(-1.5,7.55) 92(-2,7.55) 93(-2.5,7.55) 94(-3,7.55) 95(-3.5,7.55) 96(-4,7.55) 97(-4.5,7.55) 98(-5,7.55) 99(-5.5,7.55) 100(-6,7.55)